# Altium PCB TEZ_Project.PcbDoc (part 2 of 2) (continued)
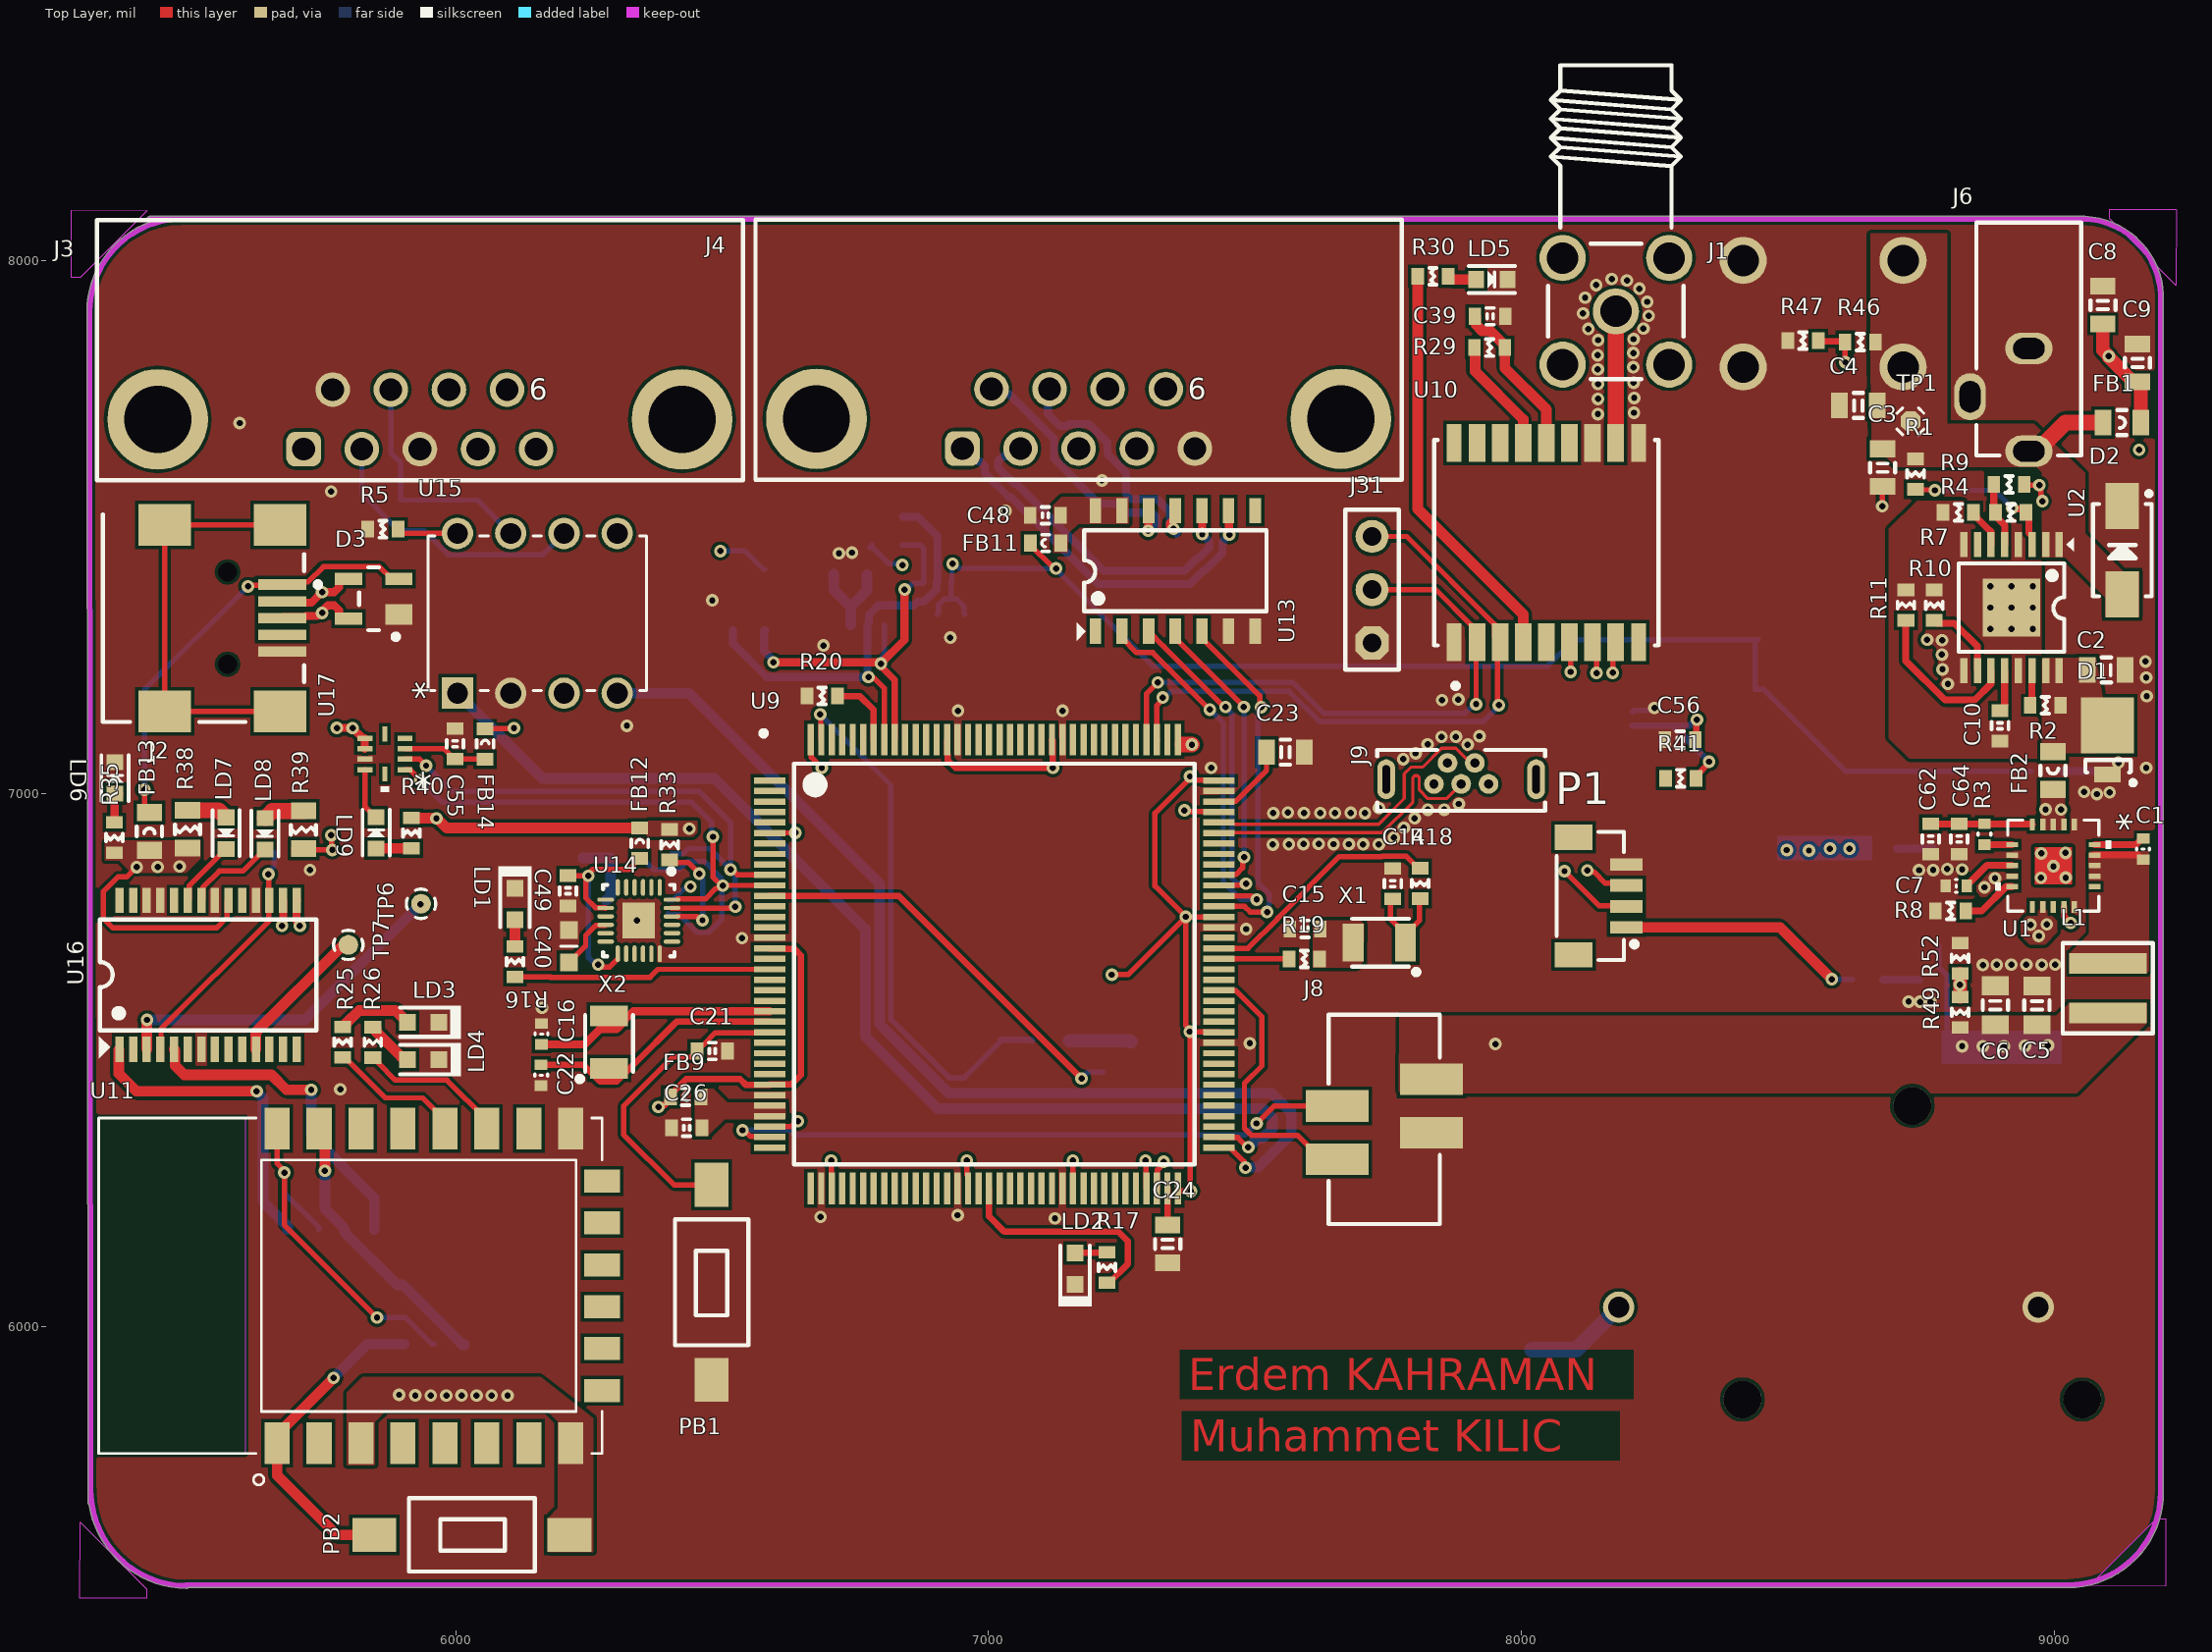
[diagram p0: Top Layer view]
## Nets (pads, with @x,y where several pads share a name; then routed paths per layer and width w, separated by ;. In a path a pad name is that pad's centre, name@x,y a point inside that pad or via, vN(x,y) a via of type N, cw(c..) or ccw(c..) an arc to the next point about the centre after c; other vN are vias at no path point) (continued)
  Top Layer w30: U10.11@8177.53,7658.8 J1.1@8177.53,7905.35
NetJ2_6: J2.6 J2.7 J2.8 J2.9 | length 783.5
  Top Layer w10: J2.6@5670.46,7154.31 J2.7@5453.92,7154.31 J2.9@5453.92,7504.7 J2.8@5670.46,7504.7
NetLD1_1: LD1.1 R16.2 | length 49.5
  Top Layer w10: LD1.1@6109.72,6761.58 LD1.1@6111.41,6763.28
  Top Layer w20: R16.2@6111.49,6713.1 LD1.1@6111.49,6760.19
NetLD2_1: LD2.1 R17.2 | length 60.6
  Top Layer w12: LD2.1@7162.65,6137.62 7163.37,6138.34 7221.92,6138.34 R17.2@7222.64,6139.05
NetLD3_1: LD3.1 R25.2 | length 145.7
  Top Layer w20: R25.2@5787.92,6562.01 5791.86,6562.01 5793.67,6563.82 5793.67,6567.76 5818.89,6592.97 5887.21,6592.97 LD3.1@5909.33,6570.85
NetLD4_1: LD4.1 R26.2 | length 94
  Top Layer w20: R26.2@5844.62,6561.66 5848.56,6561.66 5850.37,6559.85 5850.37,6553.47 5897.32,6506.52 5903.95,6506.52 LD4.1@5909.7,6500.77
NetLD5_1: LD5.1 R30.1 | length 54.9
  Top Layer w20: R30.1@7862.7,7971.12 7868.67,7965.15 LD5.1@7915.14,7965.15
NetLD6_1: LD6.1 R35.1 | length 55
  Top Layer w15: R35.1@5359.58,6946.05 5360.1,6946.57 5360.1,6999.11 LD6.1@5360.62,6999.62 ; LD6.1@5361.13,6999.62 LD6.1@5361.6,6999.62
  Top Layer w30: LD6.1@5360.62,6999.62 LD6.1@5361.13,6999.62
NetLD7_1: LD7.1 R38.2 | length 77.8
  Top Layer w30: R38.2@5496.81,6968.58 5555.36,6968.58 5568.6,6955.34 LD7.1@5569.11,6955.34
NetLD7_2: LD7.2 U16.23 | length 127.2
  Top Layer w10: U16.23@5497.06,6799.48 5499.93,6802.36 5499.93,6827.11 5558.36,6885.54 5558.36,6886.52 5568.12,6896.29 LD7.2@5569.11,6896.29
NetLD8_1: LD8.1 R39.2 | length 77.7
  Top Layer w30: LD8.1@5642.11,6954.31 5642.62,6954.31 5655.83,6967.51 R39.2@5714.39,6967.51
NetLD8_2: LD8.2 U16.22 | length 171.7
  Top Layer w10: U16.22@5522.65,6799.48 5525.52,6802.36 5525.52,6823.82 5556.36,6854.66 5600.53,6854.66 5641.13,6895.25 LD8.2@5642.11,6895.25
NetLD9_1: LD9.1 R40.1 | length 66
  Top Layer w20: LD9.1@5850.93,6897.16 5851.05,6897.28 5916.7,6897.28 R40.1@5916.82,6897.4
NetLD9_2: LD9.2 U17.9 | length 98.1
  Top Layer w10: U17.9@5829.73,7044.93 5829.73,6976.43 5849.94,6956.21 LD9.2@5850.93,6956.21
NetR1_2: R1.2 R4.1 U2.3 | length 291
  Top Layer w10: R1.2@8740.08,7571.41 8741.11,7570.39 8775.15,7570.39 v1(8776.18,7569.37)
  Top Layer w13: v1(8921.11,7536.14) 8923.14,7534.11 8942,7534.11 8947.31,7528.8 R4.1@8947.31,7527.63 8952.31,7522.63 8952.31,7490.28 8958.51,7484.07 U2.3@8958.51,7467.34
  Bottom Layer w10: v1(8776.18,7569.37) 8887.88,7569.37 v1(8921.11,7536.14)
NetR2_1: R2.1 U2.14 | length 66.8
  Top Layer w13: R2.1@8954.95,7165.83 8958.12,7168.99 8958.12,7230.73 U2.14@8958.51,7231.12
NetR4_2: R4.2 R9.1 U2.5 | length 108.1
  Top Layer w13: R4.2@8886.82,7540.66 R9.1@8886.82,7580.62 ; R4.2@8887.47,7527.31 8887.47,7523.37 8907.33,7503.51 U2.5@8907.33,7467.34
NetR5_1: R5.1 U15.8 | length 115.2
  Top Layer w10: R5.1@5892.08,7496.44 5892.08,7495.37 5898.89,7488.56 U15.8@6003.36,7488.56
NetR7_2: R7.2 U2.6 | length 74.5
  Top Layer w13: R7.2@8848.73,7527.9 8854.04,7522.59 8854.04,7518.57 8873.23,7499.38 8873.73,7499.38 8881.35,7491.76 8881.35,7467.73 U2.6@8881.74,7467.34
NetR8_2: R8.2 U1.10 | length 105.8
  Top Layer w13: R8.2@8834.17,6779.69 8864.18,6779.69 8909.95,6825.46 U1.10@8921.03,6825.46
NetR10_1: R10.1 U2.10 | length 146.6
  Top Layer w13: R10.1@8775.09,7325.15 8780.41,7319.83 8812.92,7319.83 8855.76,7277 8855.76,7231.51 U2.10@8856.15,7231.12
NetR11_1: R11.1 U2.11 | length 304
  Top Layer w13: R11.1@8721.86,7325.35 8721.86,7249.12 8795.25,7175.72 8851.2,7175.72 8881.35,7205.87 8881.35,7230.73 U2.11@8881.74,7231.12
NetR13_1: R13.1 R14.1 R15.1 | length 117
  Bottom Layer w25: R13.1@7151.85,6535.88 7264.05,6535.88 7265.6,6534.33 R14.1@7268.16,6534.33
NetR15_2: R15.2 U9.12 | length 771.7
  Top Layer w12: U9.12@6589.74,6808.01 6831.93,6808.01 v1(7174.65,6465.3)
  Bottom Layer w10: v1(7174.65,6465.3) 7186.91,6477.55 R15.2@7214.44,6477.55
NetR16_1: R16.1 U9.19 | length 484.7
  Top Layer w10: R16.1@6111.49,6656.01 6177.82,6656.01 6178.51,6655.32 6364.87,6655.32 6379.76,6670.22 U9.19@6589.74,6670.22
NetR17_1: R17.1 U9.54 | length 428.1
  Top Layer w12: U9.54@7001.16,6258.8 7001.26,6258.7 7001.26,6206.18 7030.04,6177.4 7243.89,6177.4 7261.17,6160.11 7261.17,6116.56 7226.57,6081.97 R17.1@7222.64,6081.97
NetR18_1: R18.1 U9.92 | length 459.5
  Top Layer w10: U9.92@7432.26,6709.59 7487.01,6709.59 7542.73,6765.31 7542.73,6766.39 7658.28,6881.94 7738.42,6881.94 7738.68,6882.2 7784.2,6882.2 7806.49,6859.91 R18.1@7810.43,6859.91
NetR19_1: R19.1 U9.91 | length 132.2
  Top Layer w10: U9.91@7432.26,6689.9 7563.71,6689.9 R19.1@7564.23,6689.39
NetR20_2: R20.2 U9.138 | length 134.8
  Top Layer w12: R20.2@6716.4,7183.36 6758.23,7183.36 6784.63,7156.96 U9.138@6784.63,7101.32
NetR21_1: R21.1 R22.1 U9.143 | length 1018.5
  Top Layer w10: v1(6684.31,7148.79) 6685.29,7147.8 6685.29,7102.22 U9.143@6686.2,7101.32
  Bottom Layer w10: v1(6684.31,7148.79) 6816.95,7016.15 6816.95,6576.14 6926.62,6466.47 6954.19,6466.47 7022.27,6534.55 R22.1@7022.27,6538.48
  Bottom Layer w12: R22.1@7022.7,6538.06 7079.97,6538.06 R21.1@7081.72,6536.31
NetR25_1: R25.1 U11.18 | length 250.7
  Top Layer w10: R25.1@5787.92,6504.92 5791.86,6504.92 5867.9,6428.88 5938.12,6428.88 U11.18@5986.94,6380.05
NetR26_1: R26.1 U11.17 | length 280.6
  Top Layer w10: R26.1@5844.62,6504.57 5848.56,6504.57 5855.37,6497.76 5855.37,6493.82 5886.94,6462.25 5983.48,6462.25 6058.56,6387.18 U11.17@6058.56,6371.43
NetR29_2: R29.2 U10.15 | length 217.1
  Top Layer w20: R29.2@7912.17,7837.29 7913.18,7836.28 7913.18,7792.94 8003.45,7702.67 8003.45,7658.25 U10.15@8003.6,7658.09
NetR30_2: R30.2 U10.4 | length 769
  Top Layer w20: R30.2@7805.62,7971.12 7805.62,7534.35 8003.6,7336.36 U10.4@8003.6,7284.08
NetR33_1: R33.1 U14.22 | length 205.3
  Top Layer w10: R33.1@6401.88,6875.43 6406.53,6870.78 6436.31,6870.78 v1(6457.32,6849.77) ; U14.22@6416.72,6768.97 6453.05,6768.97 6459.61,6762.41 v1(6463.3,6762.41)
  Bottom Layer w10: v1(6457.32,6849.77) 6457.32,6846.08 6463.44,6839.97 6463.44,6762.55 v1(6463.3,6762.41)
NetR36_2: R36.2 U16.1 | length 600.5
  Top Layer w20: U16.1@5368.01,6518.86 5368.01,6474.48 5401.15,6441.34 v1(5626.49,6441.34)
  Bottom Layer w20: v1(5626.49,6441.34) 5626.49,6440.36 5638.45,6428.4 5638.45,6233.22 5684.46,6187.2 R36.2@5684.46,6181.46
NetR37_2: R37.2 U16.5 | length 617
  Top Layer w20: U16.5@5471.47,6519.96 5473.19,6518.24 5473.19,6489.71 5490.85,6472.04 5654.39,6472.04 5682.49,6443.94 v1(5728.96,6443.94)
  Bottom Layer w20: v1(5728.96,6443.94) 5728.96,6359.58 5847.43,6241.1 R37.2@5847.43,6181.74
NetTP6_1: TP6.1 U16.3 | length 658.3
  Top Layer w20: U16.3@5420.29,6519.96 5420.57,6520.24 5420.57,6574.98 v1(5420.85,6575.26)
  Bottom Layer w20: v1(5420.85,6575.26) 5716.85,6575.26 v1(5933.79,6792.2)
NetTP7_1: TP7.1 U16.11 | length 273.7
  Top Layer w20: U16.11@5625.01,6519.96 5625.01,6552.29 5785.58,6712.86 5795.3,6712.86 TP7.1@5798.56,6716.11
NRST: C21.1 PB1.1 U9.25 | length 594.3
  Top Layer w10: PB1.1@6480.48,6265.61 6409.78,6265.61 6315.23,6360.16 6315.23,6413.47 6407.77,6506 6446.34,6506 6453.15,6512.82 C21.1@6453.15,6516.75 6453.15,6520.69 6459.96,6527.5 6463.9,6527.5 6487.6,6551.2 6588.84,6551.2 U9.25@6589.74,6552.11
RTN: C10.1 R7.1 R9.2 R10.2 R11.2 U2.4 U2.8 U2.13 U2.17 | length 228.7
  Top Layer w10: R9.2@8943.91,7580.62 8945.33,7579.2 v1(8972.32,7579.2) 8974.92,7576.59 8974.92,7555.66 8978.03,7552.56 v1(8978.03,7548.87)
  GND (Mid2) w20: v1(8960.12,7389.23) 8960.12,7391.34 8978.03,7409.24 v1(8978.03,7548.87)
  other v1: 8880.12,7309.23 8920.12,7309.23 8960.12,7309.23 8880.12,7349.23 8920.12,7349.23 8960.12,7349.23 8880.12,7389.23 8920.12,7389.23
RX_485: U9.97 U13.2 | length 717.5
  Top Layer w10: U13.2@7250.59,7305.01 7250.59,7292.22 7277.97,7264.85 7308.23,7264.85 7415.31,7157.77 v1(7415.57,7157.77) ; U9.97@7432.26,6808.01 7485.98,6808.01 7486.43,6807.57 7493.45,6807.57 7499.74,6801.28 v1(7503.43,6801.28)
  Bottom Layer w10: v1(7415.57,7157.77) 7440.79,7132.55 7440.79,6834.53 7474.04,6801.28 v1(7503.43,6801.28)
RX_485_N: J4.7 U13.11 | length 472.7
  Top Layer w15: v1@7340.15,7500.98 7340.15,7508.15 7350.59,7518.6 U13.11@7350.59,7531.39
  Bottom Layer w15: J4.7@7114.69,7759.48 7111.34,7756.13 7111.34,7713.29 7134.36,7690.27 7146.79,7690.27 7150.17,7693.65 7188.26,7693.65 7223.25,7658.67 7223.25,7637.67 7258.24,7602.68 7258.24,7562.52 7268.14,7552.62 7316.72,7552.62 7340.15,7529.19 7340.15,7500.98 7353.16,7487.97 v1@7353.16,7487.89
  other v1: 7347.2,7497.27
RX_485_P: J4.6 U13.12 | length 502.6
  Top Layer w15: v1(7299.89,7493.31) 7300.24,7493.66 7300.24,7531.04 U13.12@7300.59,7531.39
  Bottom Layer w15: J4.6@7005.64,7759.48 7015.19,7749.92 7039.35,7749.92 7122.9,7666.38 7122.9,7628.96 7207.02,7544.85 7240.56,7544.85 7257.78,7527.62 7306.36,7527.62 7315.15,7518.84 7315.15,7506.41 7302.05,7493.31 v1(7299.89,7493.31)
RX_EN_485: U9.98 U13.3 | length 612.7
  Top Layer w10: U13.3@7300.59,7305.01 7328.77,7276.84 7442.99,7162.62 v1(7444.8,7162.62) ; U9.98@7432.26,6827.7 7433.17,6828.6 7481.07,6828.6 v1(7483.29,6830.82)
  Bottom Layer w10: v1(7444.8,7162.62) 7444.8,7161.94 7456.79,7149.95 7456.79,6841.15 7466.25,6831.7 7482.42,6831.7 v1(7483.29,6830.82)
TCK: P1.3 U9.109 | length 1073.7
  Top Layer w10: v1(8124.07,6855.73) 8126.67,6853.12 8136.15,6853.12 8136.74,6852.54 8137.14,6852.54 8157.94,6831.74 8193.19,6831.74 P1.3@8197.33,6827.6
  Top Layer w30: 7364.59,7092.05 v1(7381.79,7092.05)
  GND (Mid2) w10: v1(7381.79,7092.05) 7706.66,7092.05 7747.29,7132.68 8013.96,7132.68 8112.38,7034.26 8124.07,7022.57 v1(8124.07,6855.73)
TMS: P1.2 U9.105 | length 969.8
  Top Layer w10: v1(7367.93,6968.62) 7370.15,6966.4 7431.36,6966.4 U9.105@7432.26,6965.49 ; v1(8081.14,6854.5) 8146.36,6789.29 8196.27,6789.29 P1.2@8197.33,6788.23
  GND (Mid2) w10: v1(7367.93,6968.62) 7428.56,6968.62 7542.68,6854.5 v1(8081.14,6854.5)
TX_485: U9.96 U13.5 | length 693.1
  Top Layer w10: U13.5@7400.59,7316.88 7400.59,7292.22 7509.31,7183.5 7509.31,7165.08 v1(7511.92,7162.47) ; U9.96@7432.26,6788.33 7480.75,6788.33 7491.18,6777.89 7522.93,6777.89 v1(7522.99,6777.83)
  Bottom Layer w10: v1(7511.92,7162.47) 7511.92,7158.78 7506.1,7152.97 7506.1,6832.59 7527.11,6811.59 7527.11,6792.69 7525.6,6791.18 7525.6,6780.44 v1(7522.99,6777.83)
TX_485_N: J4.2 U13.10 | length 633.7
  Top Layer w15: U13.10@7400.59,7531.39 7400.9,7531.08 7400.9,7487.53 v1(7401.21,7487.22)
  Bottom Layer w15: J4.2@7060.16,7647.67 7046.64,7647.67 7032.13,7633.16 7026.92,7633.16 7018.14,7624.37 7018.14,7611.94 7048.96,7581.12 7053.02,7581.12 7215.99,7418.14 7367.9,7418.14 7393.83,7444.07 7396.51,7444.07 7414.14,7461.7 7414.14,7474.12 7401.21,7487.05 v1(7401.21,7487.22)
TX_485_P: J4.1 U13.9 | length 711.3
  Top Layer w15: U13.9@7450.59,7531.39 7451.33,7530.66 7451.33,7486.82 v1(7452.06,7486.09)
  Bottom Layer w15: J4.1@6951.11,7647.67 6955.84,7647.67 6979.86,7623.64 6984.35,7623.64 6993.14,7614.86 6993.14,7601.59 7038.61,7556.12 7042.66,7556.12 7205.64,7393.14 7378.25,7393.14 7404.18,7419.07 7406.86,7419.07 7439.14,7451.34 7439.14,7472.99 7452.06,7485.91 v1(7452.06,7486.09)
TX_EN_485: U9.99 U13.4 | length 541.3
  Top Layer w10: U13.4@7347,7295.82 7479.37,7163.45 v1(7479.37,7162.76) ; U9.99@7432.26,6847.38 7433.17,6848.29 7464.47,6848.29 7476.99,6860.81 7476.99,6878.14 v1(7479.6,6880.75)
  Bottom Layer w10: v1(7479.37,7162.76) 7479.6,7162.53 v1(7479.6,6880.75)
UART4_RX: J31.2 U9.112 U10.2 | length 1112.4
  Top Layer w10: U9.112@7296.44,7101.32 7296.44,7187.44 v1(7317.85,7208.85) ; J31.2@7719.91,7382.87 7839.65,7382.87 7906.24,7316.29 7906.24,7294.83 U10.2@7916.99,7284.08 7915.29,7282.38 v1(7915.29,7167.94)
  Bottom Layer w10: v1(7317.85,7208.85) 7539.76,7208.85 7540.14,7208.47 7571.4,7208.47 7591.72,7188.15 7629.02,7150.84 7894.5,7150.84 7911.6,7167.94 v1(7915.29,7167.94)
UART4_TX: J31.3 U9.111 U10.3 | length 1221.7
  Top Layer w10: U9.111@7317.03,7102.22 U9.111@7316.12,7101.32 7316.12,7165.78 7327.16,7176.82 v1(7327.16,7180.51) ; J31.3@7719.91,7482.87 7784.93,7482.87 7949.54,7318.26 7949.54,7294.83 U10.3@7960.29,7284.08 7955.04,7278.82 7955.04,7163.19 v1(7957.89,7166.05)
  Bottom Layer w10: v1(7327.16,7180.51) 7330.84,7180.51 7342.41,7192.07 7564.67,7192.07 7621.9,7134.84 7928.42,7134.84 7957.89,7164.31 v1(7957.89,7166.05)
USART3_RX: R27.2 R36.1 U9.70 U11.22 | length 2424.8
  Top Layer w10: U11.22@5664.86,6371.43 5664.86,6305.85 5678.39,6292.32 v1(5678.39,6288.63) 5678.39,6190.5 v1(5852.42,6016.47) ; U9.70@7316.12,6258.8 7317.03,6259.7 7317.03,6293.52 7328.75,6305.24 v1(7328.75,6308.93)
  GND (Mid2) w10: v1(5678.39,6288.63) 5713.46,6288.63 5732.74,6269.35 7289.18,6269.35 v1(7328.75,6308.93)
  Bottom Layer w10: v1(5678.39,6288.63) 5678.39,6250.37 5743.36,6185.39 R36.1@5743.36,6181.46 ; v1(5852.42,6016.47) 5905.93,6016.47 5955.76,5966.64 R27.2@5959.69,5966.64
USART3_TX: R28.2 R37.1 U9.69 U11.21 | length 2149.7
  Top Layer w10: v1(7294.73,6311.44) 7295.58,6310.59 7295.58,6259.65 U9.69@7296.44,6258.8
  Top Layer w20: U11.21@5743.6,6371.43 5757.13,6357.9 5754.68,6355.45 v1(5754.68,6292.16)
  Top Layer w30: U11.21@5743.6,6355.68 U11.21@5743.6,6371.43
  GND (Mid2) w10: v1(5754.68,6292.16) 5758.37,6292.16 5761.9,6288.63 7171.48,6288.63 7194.29,6311.44 v1(7294.73,6311.44)
  Bottom Layer w20: v1(5754.68,6292.16) 5754.68,6220.32 5790.35,6184.66 R37.1@5790.35,6181.74 5792.16,6179.93 5792.16,6175.99 5890.6,6077.55 5900.81,6077.55 6011.22,5967.15 6013.03,5965.34 R28.2@6016.96,5965.34
USB-D_N: J9.2 U9.104 | length 579.3
  Top Layer w6: U9.104@7432.26,6945.81 7435.17,6942.9 7462,6942.9 7462.31,6942.59 7732.3,6942.59 7780.56,6990.85 7780.56,7036.95 7793.44,7049.83 7815.03,7049.83 7850.26,7085.06 7876.94,7085.06 7904.44,7057.56 J9.2@7912.83,7057.56
USB-D_P: J9.3 U9.103 | length 569.6
  Top Layer w6: U9.103@7432.26,6926.12 7432.73,6926.59 7738.93,6926.59 7796.56,6984.22 7796.56,7030.32 7800.07,7033.83 7805.04,7033.83 7808.56,7030.32 7808.56,7006.8 7824.67,6990.68 7859.74,6990.68 J9.3@7887.24,7018.19
USB_DATA_N: D3.3 J2.2 U16.16 | length 874.7
  Top Layer w15: v1(5674.01,6752.07) 5675.66,6753.72 5675.66,6759.82 5676.49,6760.65 5676.49,6799.19 U16.16@5676.19,6799.48 ; J2.2@5674.4,7361 5676.74,7358.66 5716.86,7358.66 5717.08,7358.43 5729.51,7358.43 v1(5749.44,7378.37) 5772.22,7378.37 5781.01,7387.15 5781.01,7398.96 5785.32,7403.27 D3.3@5799.1,7403.27
  GND (Mid2) w15: v1(5674.01,6752.07) 5674.01,6754.41 5678.35,6758.74 5678.35,6833.82 5676.29,6835.87 5676.29,7331.4 5713.83,7368.94 5740.56,7368.94 5749.44,7377.82 v1(5749.44,7378.37)
USB_DATA_P: D3.4 J2.3 U16.15 | length 833.5
  Top Layer w15: J2.3@5674.4,7329.5 5676.74,7331.85 5716.86,7331.85 5718.45,7333.43 5739.86,7333.43 5759.49,7353.06 5759.93,7353.06 5760.24,7353.37 5772.22,7353.37 5781.01,7344.58 5781.01,7332.78 5785.32,7328.47 D3.4@5799.1,7328.47 ; U16.15@5701.78,6799.48 5701.49,6799.19 5701.49,6760.4 5707.68,6754.2 v1(5707.68,6751.87)
  GND (Mid2) w15: v1(5707.68,6751.87) 5707.68,6754.2 5703.35,6758.54 5703.35,6844.17 5701.29,6846.23 5701.29,7321.04 5724.19,7343.94 5742.55,7343.94 5747.17,7339.32 v1(5749.5,7339.32)
VBCKP: BT1.1 C25.2 U9.6 U10.6 | length 3110.1
  Top Layer w10: U9.6@6589.74,6926.12 6589.99,6926.36 6637.29,6926.36 v1(6637.53,6926.61) ; U10.6@8090.21,7284.08 8092.66,7281.63 v1(8092.66,7228.57)
  GND w30: v1(6637.53,6926.61) 7433.93,6926.61 7718.39,7211.07 8075.15,7211.07 v1(8092.66,7228.57)
  GND (Mid2) w30: v1(8092.66,7228.57) 8182.78,7138.45 BT1.1@8182.78,6035.97
  Bottom Layer w30: C25.2@8020.45,5956.02 8102.84,5956.02 BT1.1@8182.78,6035.97
pads on no net: BT1.MH1 BT1.MH2 BT1.MH3 J1.2 J1.3 J1.4 J1.5 J2.4 J2.MH1 J2.MH2 J3.1 J3.4 J3.5 J3.8 J3.9 J3.M1 J3.M2 J4.3 J4.4 J4.8 J4.9 J4.M1 J4.M2 J9.4 J9.Shell P1.MP1 P1.MP2 U1.11 U1.13 U1.16 U2.7 U6.5 U7.5 U8.1 U8.4 U9.1 U9.2 U9.3 U9.4 U9.5 U9.7 U9.8 U9.9 U9.13 U9.14 U9.15 U9.18 U9.20 U9.21 U9.22 U9.26 U9.27 U9.28 U9.29 U9.37 U9.40 U9.41 U9.42 U9.43 U9.44 U9.45 U9.46 U9.47 U9.48 U9.49 U9.50 U9.53 U9.55 U9.56 U9.57 U9.58 U9.59 U9.60 U9.63 U9.64 U9.65 U9.66 U9.67 U9.68 U9.75 U9.76 U9.77 U9.78 U9.79 U9.80 U9.81 U9.82 U9.85 U9.86 U9.87 U9.89 U9.90 U9.93 U9.100 U9.101 U9.102 U9.110 U9.113 U9.114 U9.115 U9.116 U9.117 U9.118 U9.119 U9.122 U9.123 U9.124 U9.125 U9.126 U9.127 U9.128 U9.129 U9.132 U9.133 U9.134 U9.135 U9.139 U9.140 U9.141 U9.142 U10.5 U10.9 U10.13 U10.16 U10.17 U10.18 U11.2 U11.4 U11.5 U11.6 U11.7 U11.9 U11.10 U11.11 U11.12 U11.13 U11.14 U11.16 U11.19 U11.20 U12.3 U13.1 U13.8 U14.1 U14.2 U14.3 U14.4 U14.5 U14.6 U14.7 U14.9 U14.11 U14.12 U14.14 U14.15 U14.16 U14.17 U14.19 U14.20 U14.21 U15.5 U16.2 U16.6 U16.8 U16.9 U16.10 U16.12 U16.13 U16.14 U16.19 U16.24 U16.27 U16.28 U17.4 U17.5 U17.10

## Polygon pours and split planes (outlines as drawn)
GND on Top Layer "NONET_L-01_P-001" (solid, pour order 60): 5318.61,8086.45 9209.76,8086.45 9209.76,5513.98 5354.92,5513.98 5318.61,5550.3
NetC26_1 on Top Layer "NETC26_1_L01_P045" (solid, pour order 45): 6449.25,6446.32 6483.42,6446.53 6510.01,6419.94 6518.25,6419.94 6619.39,6419.94 6619.4,6388.84 6505.06,6388.84 6473.35,6357.13 6472.94,6357.54 6449.25,6357.13
+5V_USB on Top Layer "+5V_USB_L01_P034" (solid, pour order 34): 5341.3,6902.9 5341.3,6908.03 5345.92,6912.65 5346.17,6912.4 5520.91,6912.4 5520.91,6878 5494.49,6851.58 5391.06,6851.58 5367.97,6874.67 5341.56,6874.67
3V3_B on Top Layer "3V3_B_L01_P030" (solid, pour order 30): 6172.43,5574.43 6174.55,5576.54 6258.36,5576.54 6258.36,5828.08 6159.77,5904.71 6100.55,5904.71 5825.16,5904.71 5795.62,5875.17 5795.62,5739.24 5847.03,5739.24 5848.44,5737.83 5848.44,5821.64 5849.15,5821.64 5871.69,5844.18 5873.1,5842.77 6170.32,5842.77 6192.14,5820.95 6192.14,5658.94 6172.42,5639.21
GND on Top Layer "GND_L01_P053" (solid, pour order 53): 5312.31,8078.12 5312.31,5513.98 9209.76,5513.98 9209.76,8080.07
RTN on Top Layer "RTN_L01_P050" (solid, pour order 50): 8690.11,7497.02 8743.15,7550.05 8958.36,7550.05 8977.35,7531.06 8976.18,7529.9 8976.18,7065.53 8728.69,7065.53 8690.12,7104.1
28V_CONNECTOR on Top Layer "28V_CONNECTOR_L01_P043" (solid, pour order 43): 9003.66,7460.21 9096.15,7367.72 9096.15,7331.92 9158.53,7331.92 9159.58,7332.97 9159.58,7416.95 9129.99,7416.95 9041.42,7505.53
NetC15_1 on Top Layer "NETC15_1_L01_P042" (solid, pour order 42): 7704.09,6685.36 7692.13,6673.4 7609.21,6673.4 7609.21,6762.83 7610.51,6761.53 7698.11,6761.53 7704.35,6755.29
28V_CONNECTOR on Top Layer "28V_CONNECTOR_L01_P041" (solid, pour order 41): 8655.15,7805.46 8655.15,7856.44 8655.15,8051.55 8799.1,8051.55 8799.1,7826.49 8799.1,7694.3 8962.78,7694.29 8991.09,7665.99 8966.67,7641.57 8966.67,7613.41 8703.8,7613.41 8657.32,7659.88
3V3_A on Top Layer "3V3_A_L01_P038" (solid, pour order 38): 6327.25,6949.37 6327.25,6919.46 6445.85,6919.46 6453.33,6926.94 6453.32,6926.95 6453.32,6948.84 6328.13,6948.84 6327.25,6949.72
NetC48_2 on Top Layer "NETC48_2_L01_P015" (solid, pour order 15): 7149.49,7452.45 7148.96,7451.91 7121.65,7451.91 7121.65,7540.09 7120.93,7540.81 7137.27,7557.16 7263.37,7557.16 7263.37,7506.7 7263.56,7506.52 7263.2,7506.16 7168.18,7506.16 7150.38,7488.37
+5V on Top Layer "-" (solid, pour order 10): 8973.84,6798.34 8973.84,6782.76 8961.11,6770.04 8949.01,6770.04 8937.41,6758.44 8937.41,6733.68 8954.13,6716.97 8983.39,6716.97 9005.79,6739.36 9005.79,6760.87 8983.86,6782.79 8983.86,6798.19
FB on Top Layer "-" (solid, pour order 8): 8931.71,6849.98 8910.33,6849.98 8903.45,6856.86 8878.82,6856.86 8854.17,6832.21 8854.17,6815.09 8862.89,6806.36 8877.94,6806.36 8911.87,6840.28 8931.71,6840.28
+5V on Top Layer "-" (solid, pour order 6): 7770.79,6582.73 9004.16,6582.73 9028.89,6607.46 9173.89,6607.46 9173.89,6568.98 9042.81,6437.89 7770.47,6437.89
NetC1_2 on Top Layer "-" (solid, pour order 5): 9064.81,6892 9178.37,6892 9178.37,6667.14 9173.29,6662.05 9028.33,6662.05 9028.33,6700.29 9065.23,6737.18 9065.23,6822.02
IN on Top Layer "-" (solid, pour order 2): 8974.83,7023.89 8974.83,6934.9 8978.39,6931.35 9020.77,6931.35 9020.77,7023.27 9020.58,7023.47
NetC2_1 on Top Layer "-" (solid, pour order 1): 8976.76,7254.46 9017.6,7254.46 9078.73,7254.46 9091.09,7180.98 9078.73,7075.73 8976.76,7075.73 8977.11,7174 8977.11,7218.31
28V_CONNECTOR on Top Layer "-" (solid, pour order 0): 8909.85,7650.58 8913.18,7659.5 8929.37,7671.33 8975.47,7671.33 8981.04,7676.04 9057.75,7602.45 9057.75,7489.19 9020,7443.87 8977.35,7444.12 8977.35,7602.73 8966.67,7613.41 8934.76,7613.41 8924.39,7615.91 8915.26,7623.8 8909.65,7637.29
3V3_B on Bottom Layer "3V3_B_L04_P032" (solid, pour order 32): 5888.21,5921.26 6086.38,5921.26 6093.39,5914.25 6155.2,5914.25 6163.16,5906.28 6160.93,5904.06 6160.93,5862 5881.84,5862 5881.52,5862.32 5881.83,5862.63 5881.83,5921.89
3V3_A on Bottom Layer "3V3_A_L04_P048" (solid, pour order 48): 8088.85,7308.45 8090.01,7309.61 8473.78,7309.61 8473.78,7104.81 8392.45,7023.48 8088.76,7023.48
GND on Bottom Layer "GND_L04_P055" (solid, pour order 55): 5363.94,8077.73 5363.94,5513.57 9212.54,5513.57 9212.54,8079.66
+5V on Bottom Layer "+5V_L04_P049" (solid, pour order 49): 8934.42,6755.75 9001.26,6822.59 9063.88,6822.59 9122.87,6881.58 9161.11,6881.58 9161.11,6834.62 9106.93,6780.44 9022.93,6780.44 9003.06,6760.56 9003.06,6731.96 8984.4,6713.31 8948.27,6713.31 8932.92,6728.66 8932.92,6753.04
3V3_C on Bottom Layer "3V3_C_L04_P044" (solid, pour order 44): 6964.93,6728.7 6966.9,6730.67 7249.68,6730.67 7249.68,6654.46 7170.65,6575.43 6960.86,6575.43 6943.11,6593.18 6943.11,6712.8
3V3_A on Bottom Layer "3V3_A_L04_P037" (solid, pour order 37): 6271.75,6924.36 6271.07,6925.03 6271.07,6951.35 6449.74,6951.35 6450.09,6951.69 6453.75,6948.03 6453.75,6927.36 6442.75,6916.36 6442.43,6916.68 6273.07,6916.68 6273.07,6922.7 6271.42,6924.36
GND on Bottom Layer "GND_L04_P035" (solid, pour order 35): 6297.06,6717.57 6296.88,6717.39 6267.28,6717.39 6267.28,6780.16 6267.94,6780.81 6268.3,6780.44 6311.55,6780.44 6311.55,6718.5 6310.53,6717.48 6294.13,6717.48
+5V_USB on Bottom Layer "+5V_USB_L04_P033" (solid, pour order 33): 5505.78,6896.48 5503.47,6894.17 5503.47,6853.37 5394.93,6853.37 5385.43,6862.88 5385.43,6907.51 5425.2,6907.51 5447.78,6930.09 5448.81,6929.06 5506.54,6929.06
no net on Bottom Layer "NONET_L04_P026" (solid, pour order 26): 6716.73,7398.99 6709.96,7398.99 6697.89,7411.07
3V3_A on Bottom Layer "3V3_A_L04_P023" (solid, pour order 23): 6718.15,7397.57 6716.73,7398.99 6655.7,7398.99 6655.7,7399.3 6647.86,7407.14 6564.12,7407.14 6564.12,7434.85 6563.66,7435.31 6703.12,7435.31 6718.78,7419.65 6717.69,7418.56 6717.69,7399.46
no net on Bottom Layer "NONET_L04_P025" (solid, pour order 25): 6660.86,7421.23 6660.87,7421.22 6661.02,7421.22
no net on Bottom Layer "NONET_L04_P024" (solid, pour order 24): 6682.94,7416.52 6682.78,7416.52 6682.77,7416.53
3V3_A on Bottom Layer "3V3_A_L04_P020" (solid, pour order 20): 6772.1,7396.31 6772.07,7396.28 6759.44,7396.28 6759.44,7538.63 6760.17,7539.35 6796.08,7539.35 6796.08,7431.88 6786.35,7422.15 6786.35,7396.43 6786.11,7396.19
NetC43_2 on Bottom Layer "-" (solid, pour order 14): 8716.9,6581.31 8779.99,6581.1 8779.99,6524.91 8753.95,6498.87 8695.81,6498.87 8656.32,6538.35 8656.32,6565.12 8672.51,6581.3
NetC41_2 on Bottom Layer "-" (solid, pour order 13): 8741.32,6828.86 8820.41,6828.62 8856.61,6792.42 8856.61,6759.2 8768.08,6759.2 8741.44,6803.44
NetC12_2 on Bottom Layer "-" (solid, pour order 11): 9098.85,6974.78 9163.22,6974.67 9163.22,6915.26 9160.19,6911.73 9136.26,6911.73 9104.67,6911.73 9098.85,6917.55
NetC12_2 on Bottom Layer "-" (solid, pour order 12): 9047.74,6974.73 9060.11,6974.85 9060.55,6974.4 9060.55,6949.19 9098.85,6949.19 9098.85,6946.16 9098.85,6917.55 9104.65,6911.75 9046.06,6911.75 9046.06,6973.04
3V3_B on GND "NONET_L-01_P-001" (solid, pour order 9): 5852.42,5944.67 5853.8,5946.06 7461.38,5946.06 8483.8,6968.48 8653.69,6968.48 8713.02,6909.15 8713.02,6661.08 7688.27,5636.34 5856.6,5636.34 5744.15,5748.78 5744.15,5838.82
+5V_USB on GND "+5V_USB_L02_P052" (solid, pour order 52): 5392.59,6844.81 5393.69,6845.9 5497.09,6845.9 5497.09,6846.27 5529.58,6878.77 5786.23,6878.77 5786.23,6936.38 5785.49,6935.64 5417.69,6935.64 5374.5,6892.44 5374.5,6844.81
GND on GND "GND_L02_P056" (solid, pour order 56): 5335.22,8078.57 5335.22,5514.42 9208.27,5514.42 9208.27,8080.51
+5V on GND "-" (solid, pour order 51): 8811.19,6539.31 8811.19,6538.49 8811.19,6514.64 8819.18,6506.65 9057.62,6506.65 9135.71,6584.74 9135.71,6687.43 9080.89,6742.26 9011.65,6742.26 8986.11,6767.79 8947.17,6767.79 8937.64,6758.26 8937.64,6734.72 8970.87,6701.48 9008.26,6701.48 9023.65,6686.1 9023.65,6668.4 8903.42,6548.18 8824.37,6548.18
GND on GND (Mid2) "NONET_L-01_P-001" (solid, pour order 58): 5313.58,8045.03 9158.43,8045.03 9211.74,8098.34 9211.74,5499.08 5344.53,5499.08 5308.98,5534.63
GND on GND (Mid2) "GND_L03_P054" (solid, pour order 54): 5340.69,8063.23 5340.69,5499.08 9211.74,5499.08 9211.74,8065.17

## Keep-outs
Keep-Out Layer:
  pour cut-out: 5295.11,5631.95 5420.2,5506.86 5420.2,5489.41 5295.1,5489.41 5294.74,5489.78
  pour cut-out: 5421.01,8094.35 5295.92,7969.26 5278.48,7969.26 5278.48,8094.36 5278.84,8094.73
  region: 9228.92,7954.13 9103.83,8079.22 9103.83,8096.66 9228.93,8096.66 9229.29,8096.3
  region: 9066.38,5513.32 9191.47,5638.41 9208.92,5638.41 9208.92,5513.31 9208.55,5512.95
  lines w10: 5313.08,7904.97 cw(c5487.2,7904.51) 5487.67,8078.63 ; 5313.08,7904.98 5314.81,5670.05 ; 5315.25,5694.08 ccw(c5495.39,5693.37) 5494.68,5513.23 ; 5426.14,8078.57 9044.95,8078.57 cw(c9051.39,7929.96) 9200,7936.39 9200,5688.71 cw(c9026.13,5688.45) 9026.39,5514.58 5494.68,5514.58

## Other copper
Top Layer:
  text "Erdem KAHRAMAN" at 7375.25,5879.9 h60
  text "Muhammet KILIC" at 7378.71,5764.79 h60
Bottom Layer:
  rectangle net +5V: 8788.53,6492.05 9014.26,6555.06
  rectangle net 3V3_B: 8479.7,6874.81 8658.99,6921.08

## Text inside footprints (layer, text, board x,y; h text height)
J2: Mechanical 15 "PCB Edge" at 5348.32,7488.42 h9.84 r270
J3: Top Overlay "9" at 6173.05,7779.34 h40 r180; Mechanical 2 "PCB Edge" at 5917.15,8129.73 h40 r180
J4: Top Overlay "9" at 7409.38,7780.35 h40 r180; Mechanical 2 "PCB Edge" at 7153.47,8130.74 h40 r180
U1: Top Overlay "*" at 9096.67,6963.3 h50 r270
U15: Top Overlay "*" at 5968.86,7176.06 h50 r90; Mechanical 13 "*" at 6028.36,7196.06 h50 r90
U17: Top Overlay "*" at 5956.23,7060.09 h50 r180; Mechanical 13 "*" at 5903.23,7060.09 h50 r180